# Altium PCB TG102LE4G_A7682_240822.PcbDoc (part 1 of 2)
Units mm, origin at the board's own origin, x right, y up, seen from the top; angles counter-clockwise.
Board outline 55.2 x 96.65 mm, 4 copper layers (Top Layer, Signal1 Layer, Signal2 layer, Bottom Layer), stack 1.564 mm thick; 188 components, 128 nets, 611 pads, 382 vias.
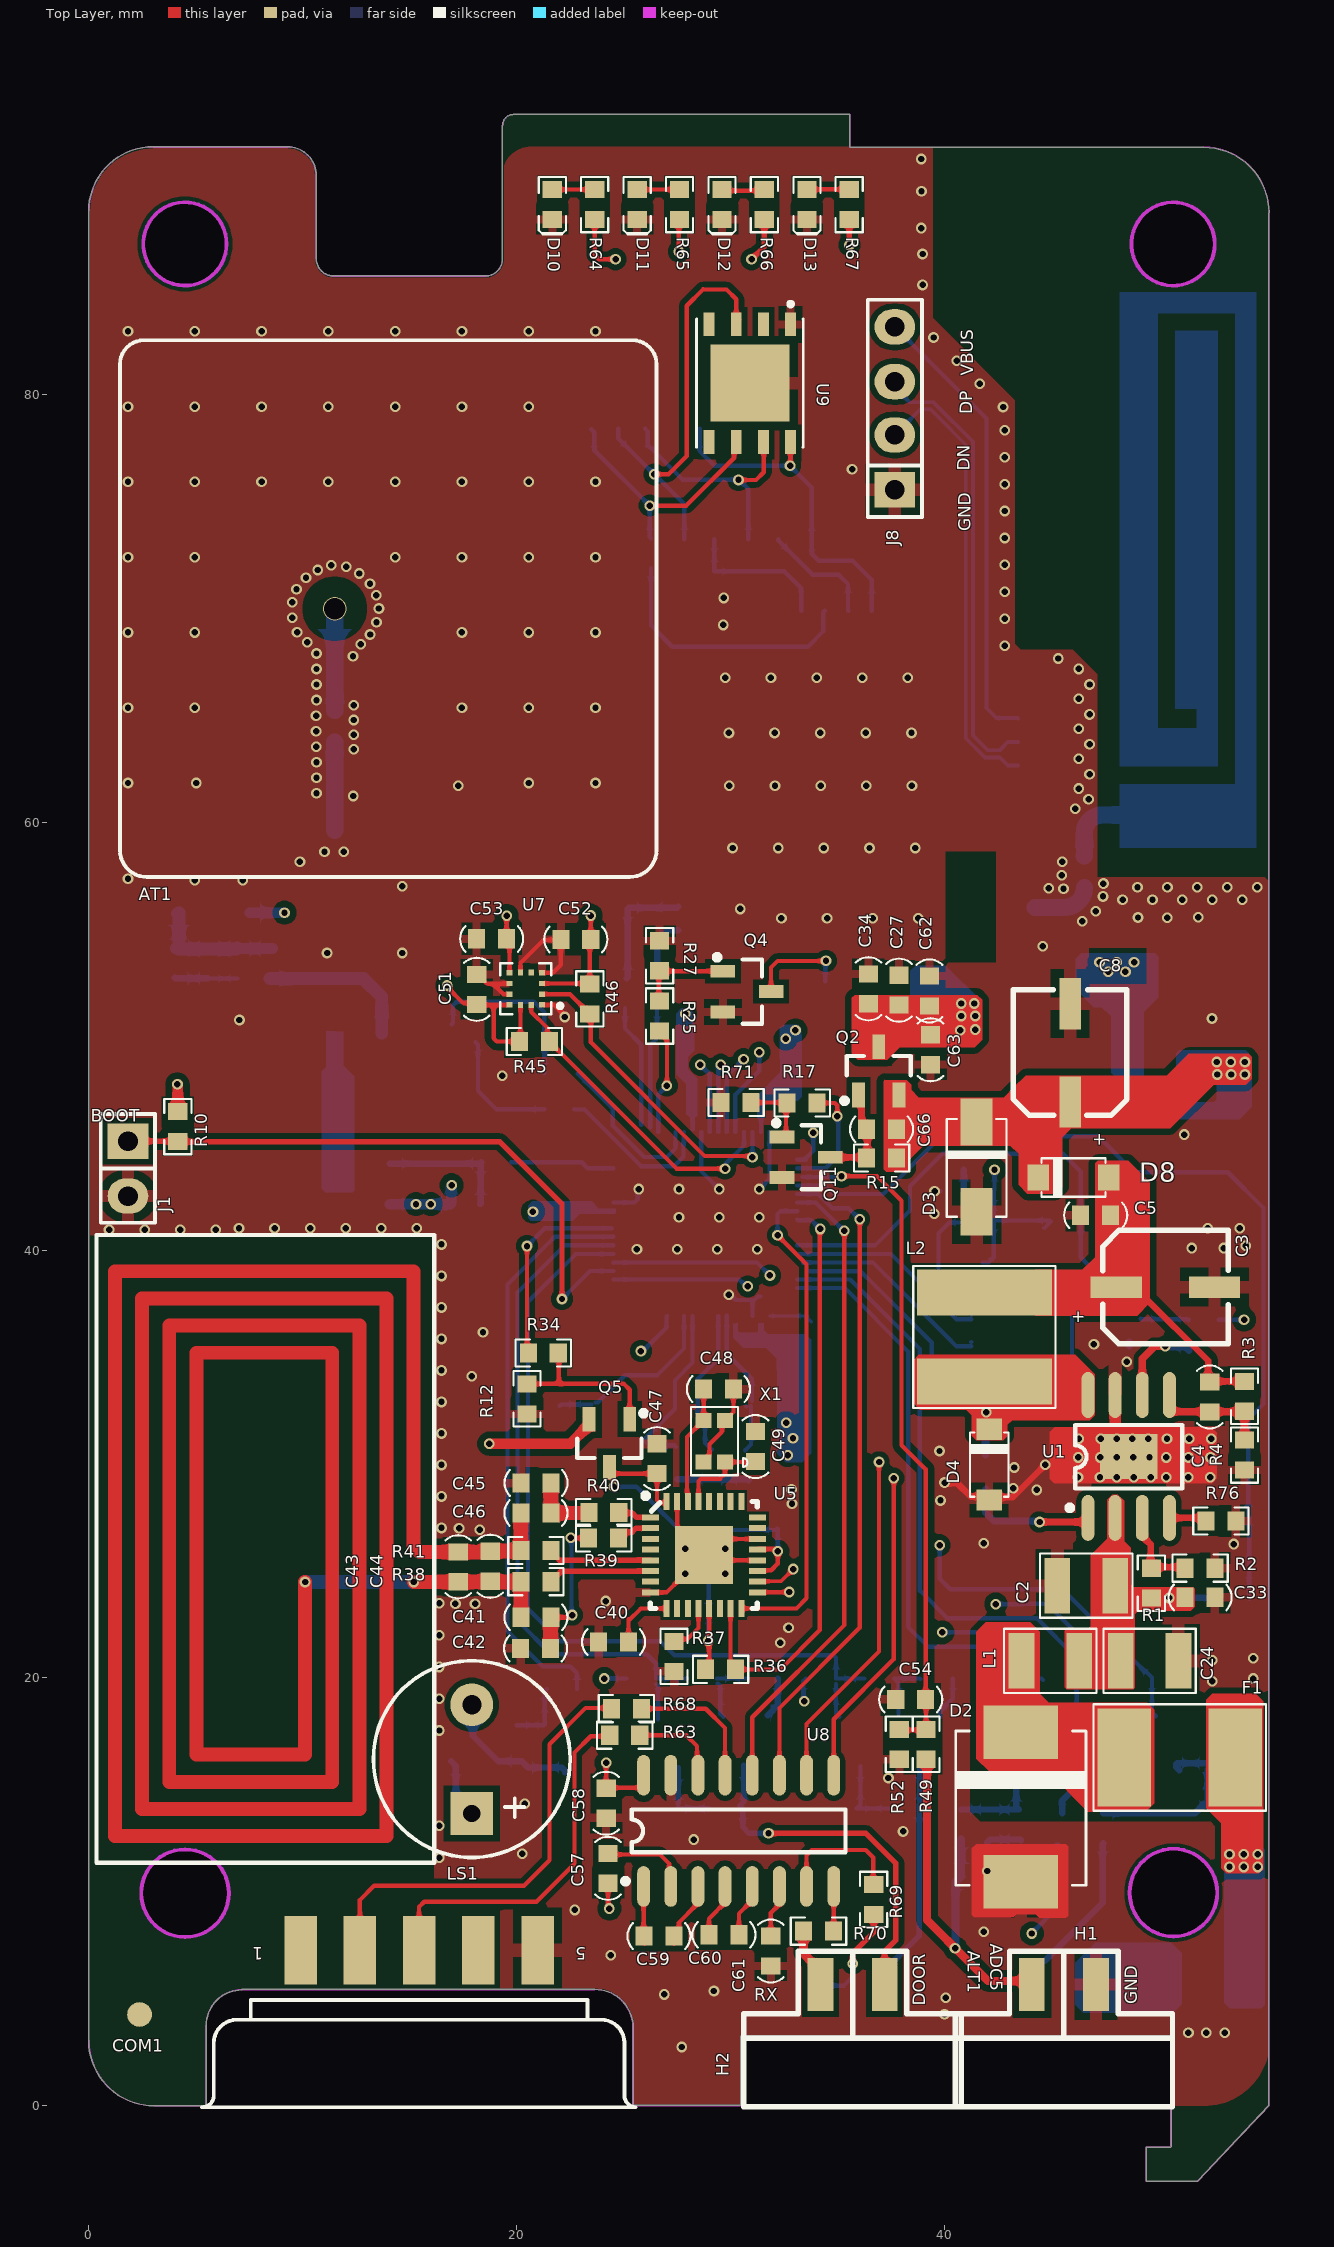
[diagram p0: Top Layer view]
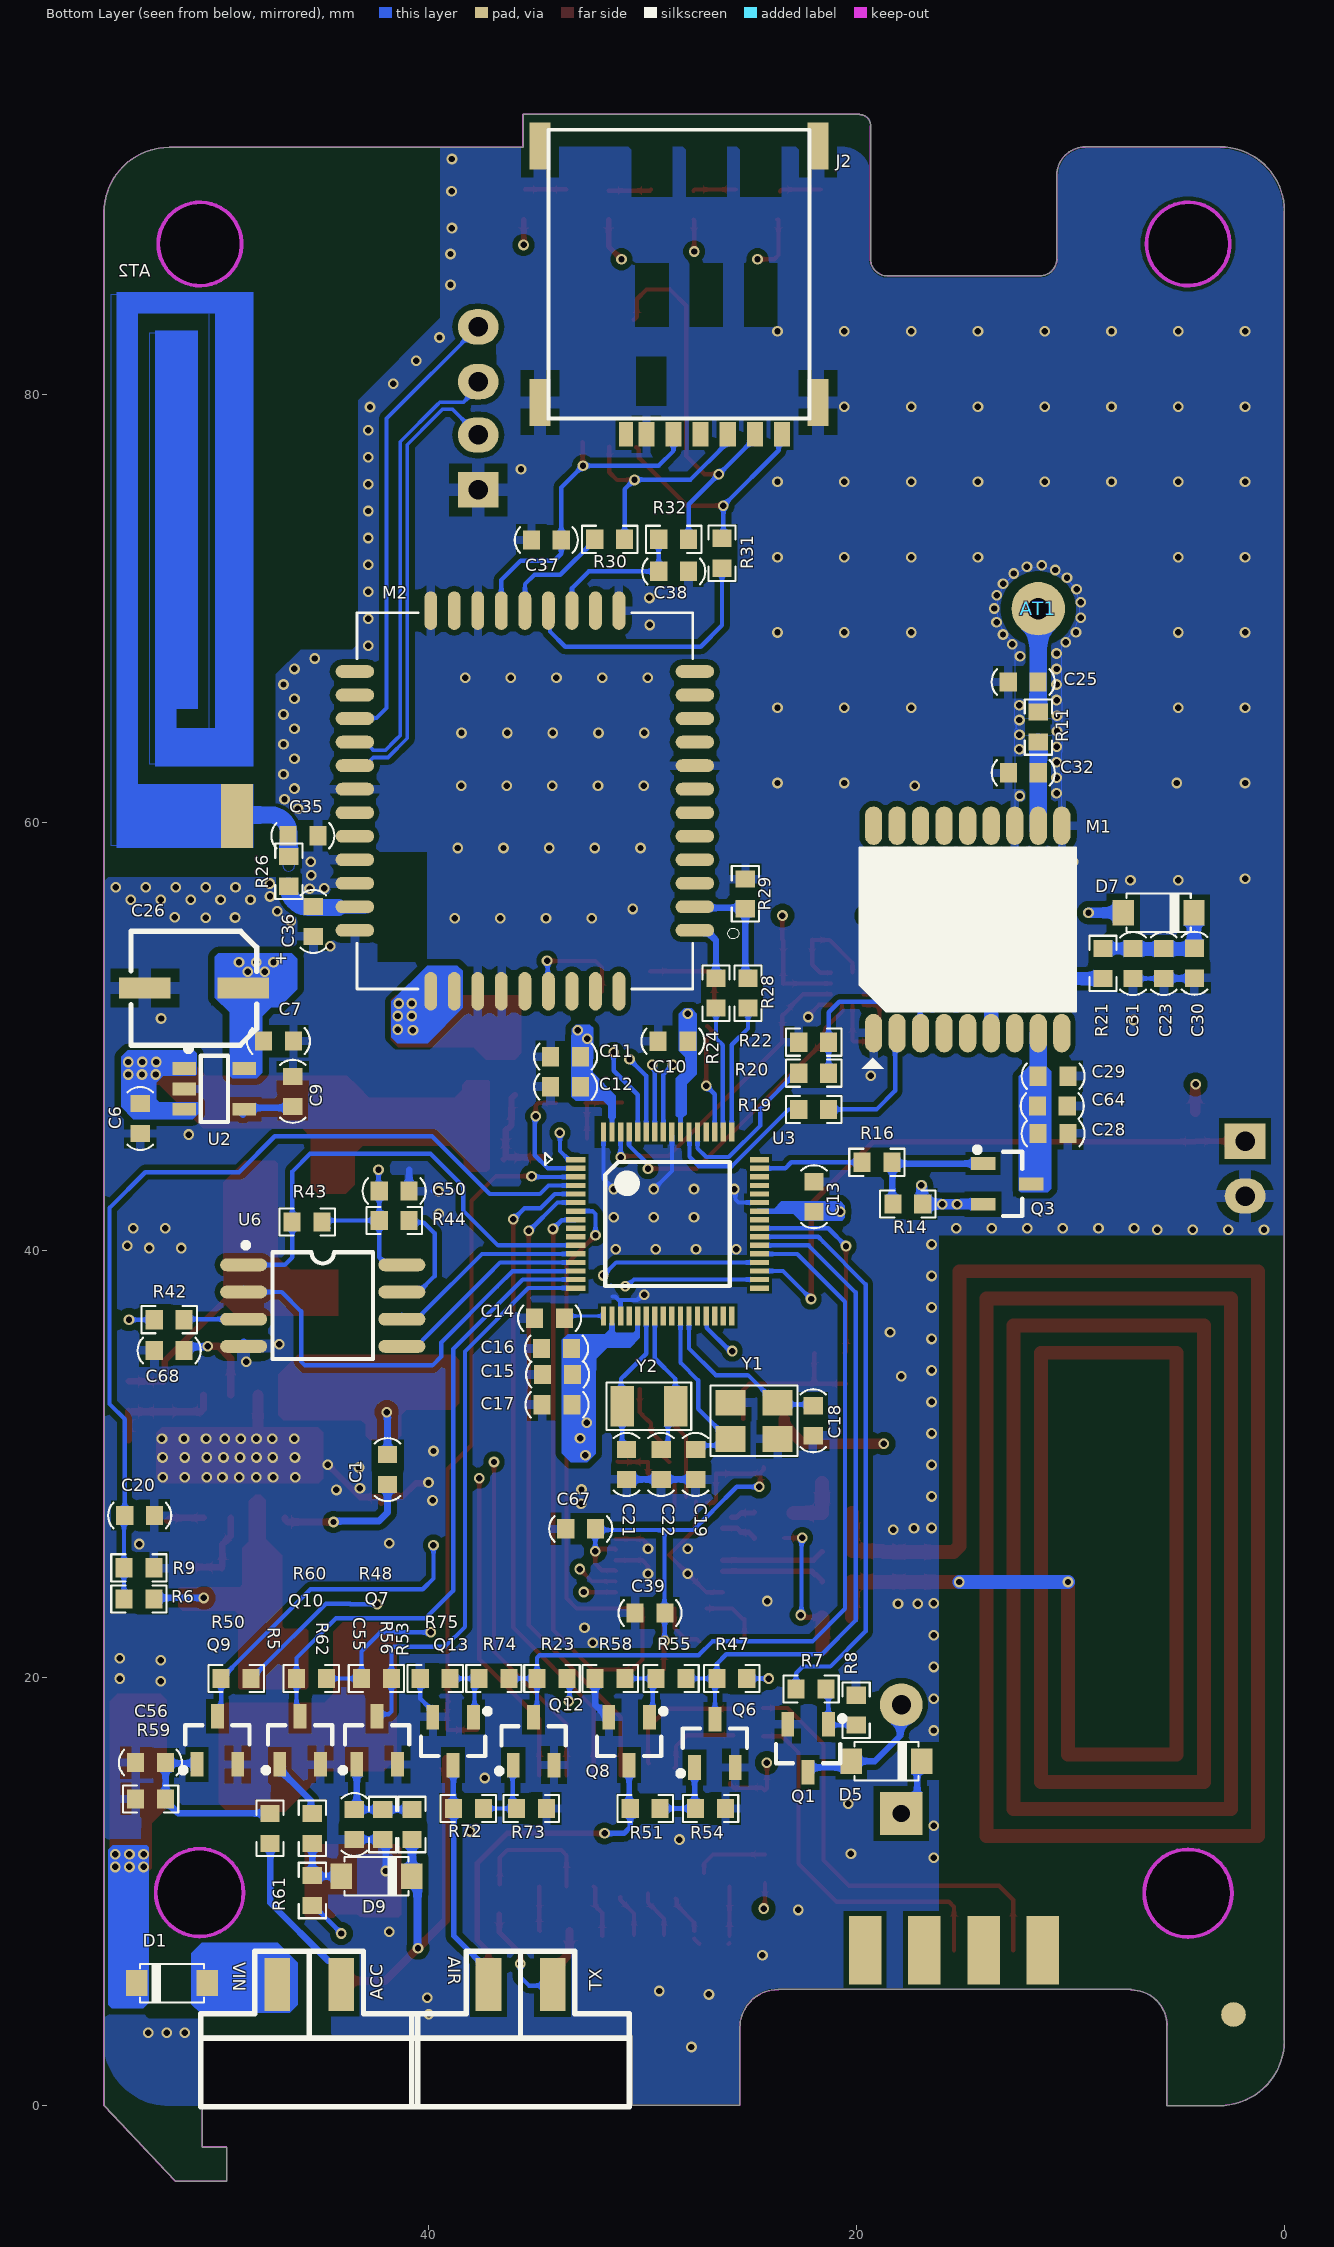
[diagram p1: Bottom Layer view, seen from below]
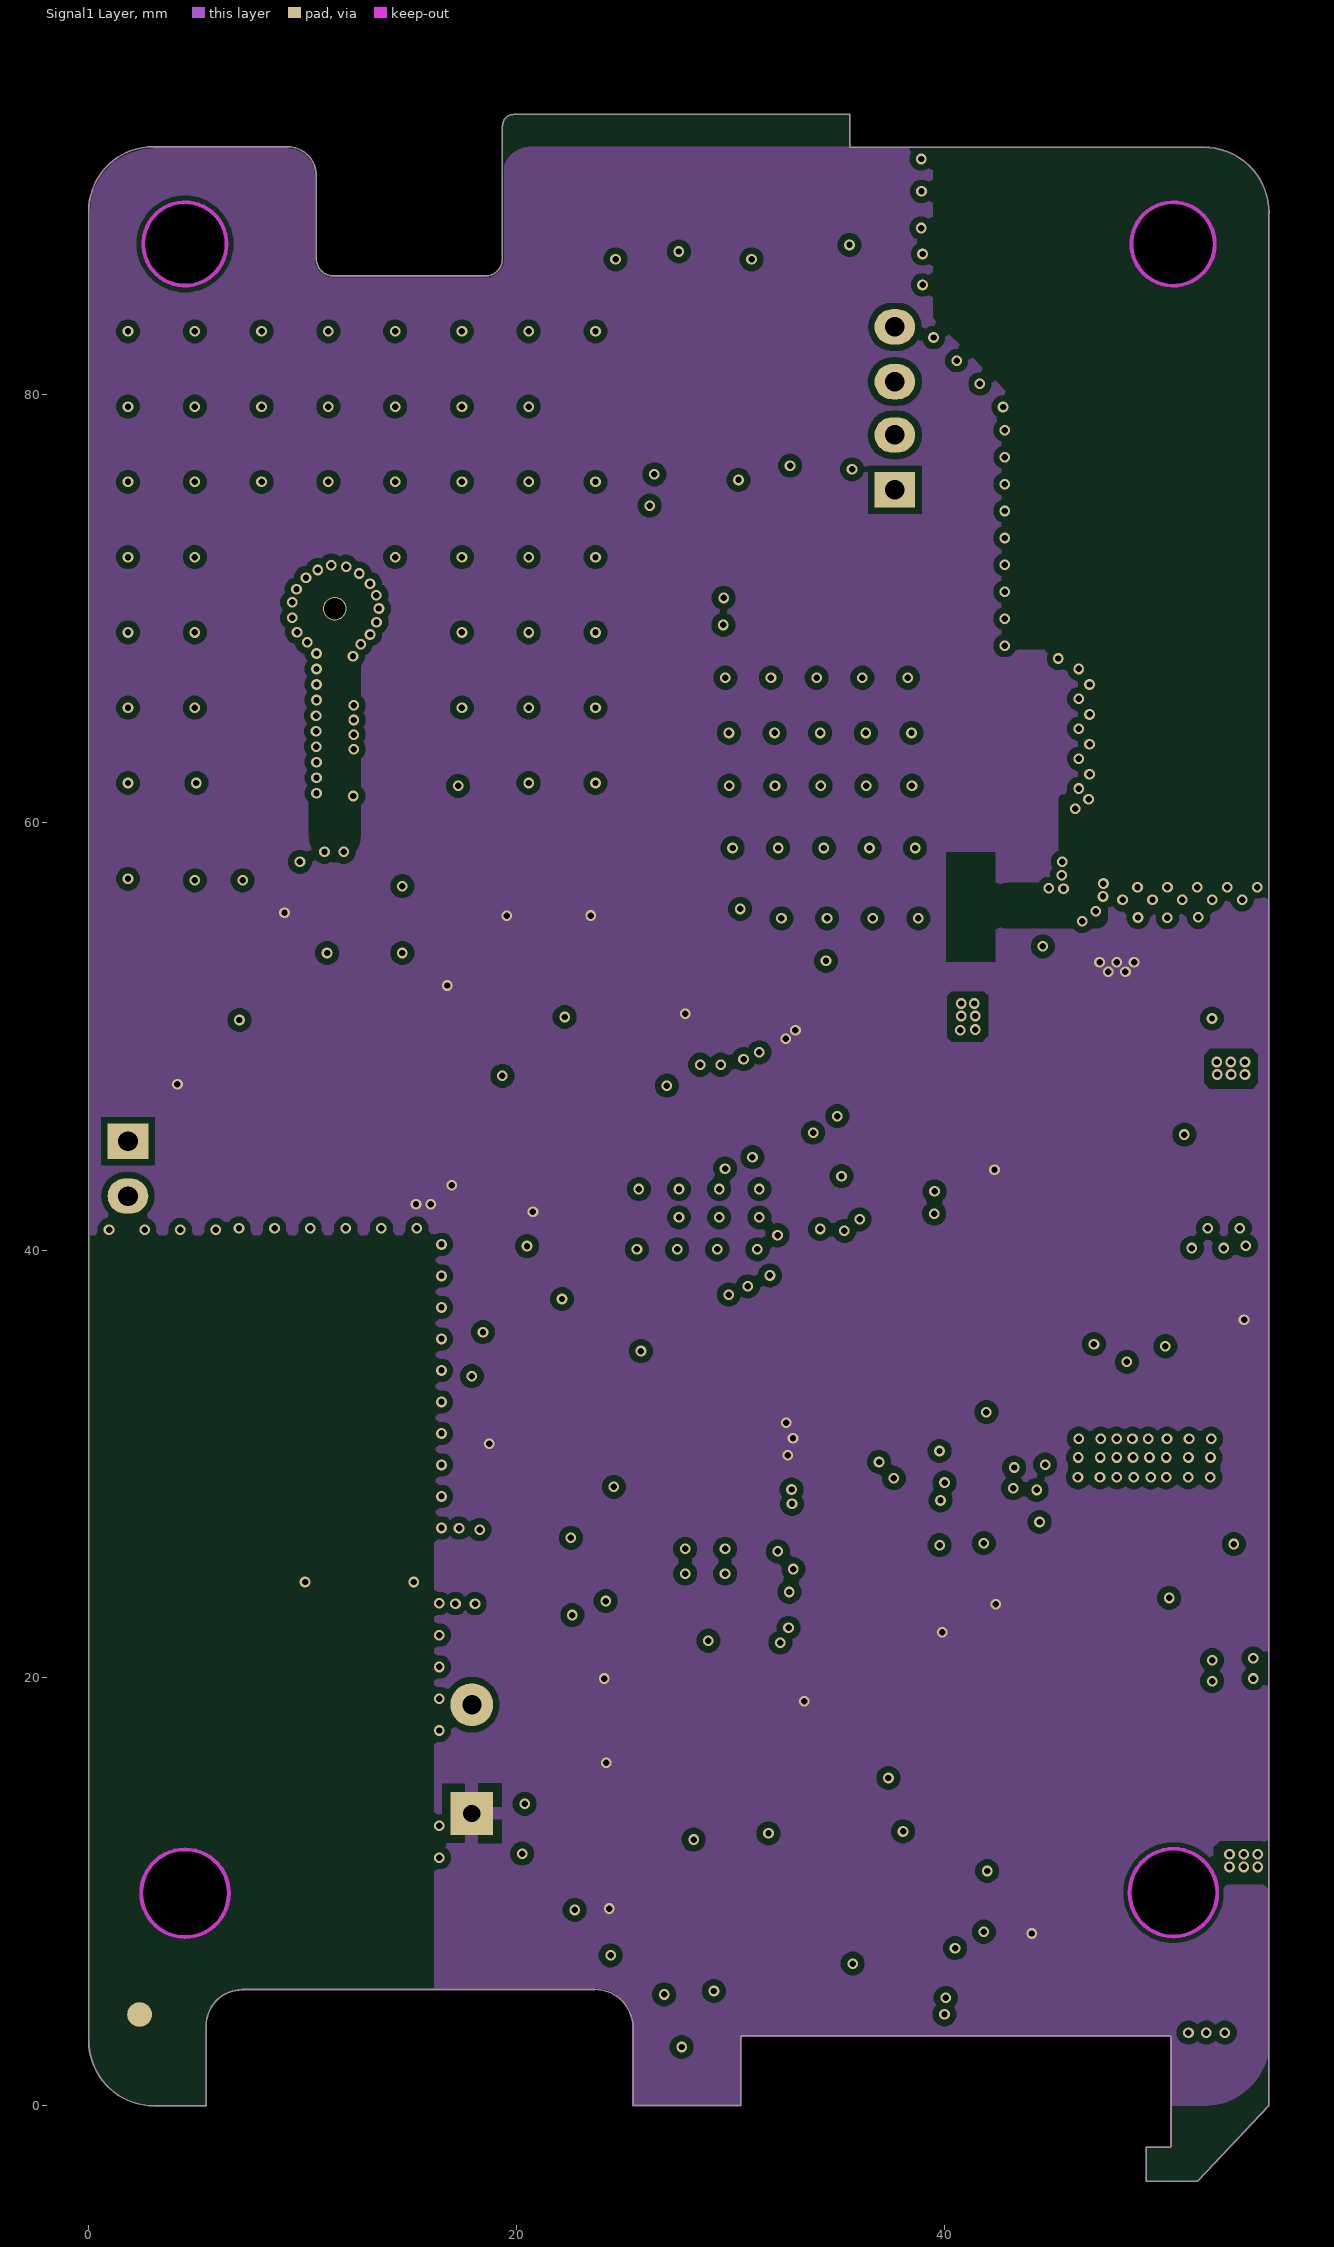
[diagram p2: Signal1 Layer]
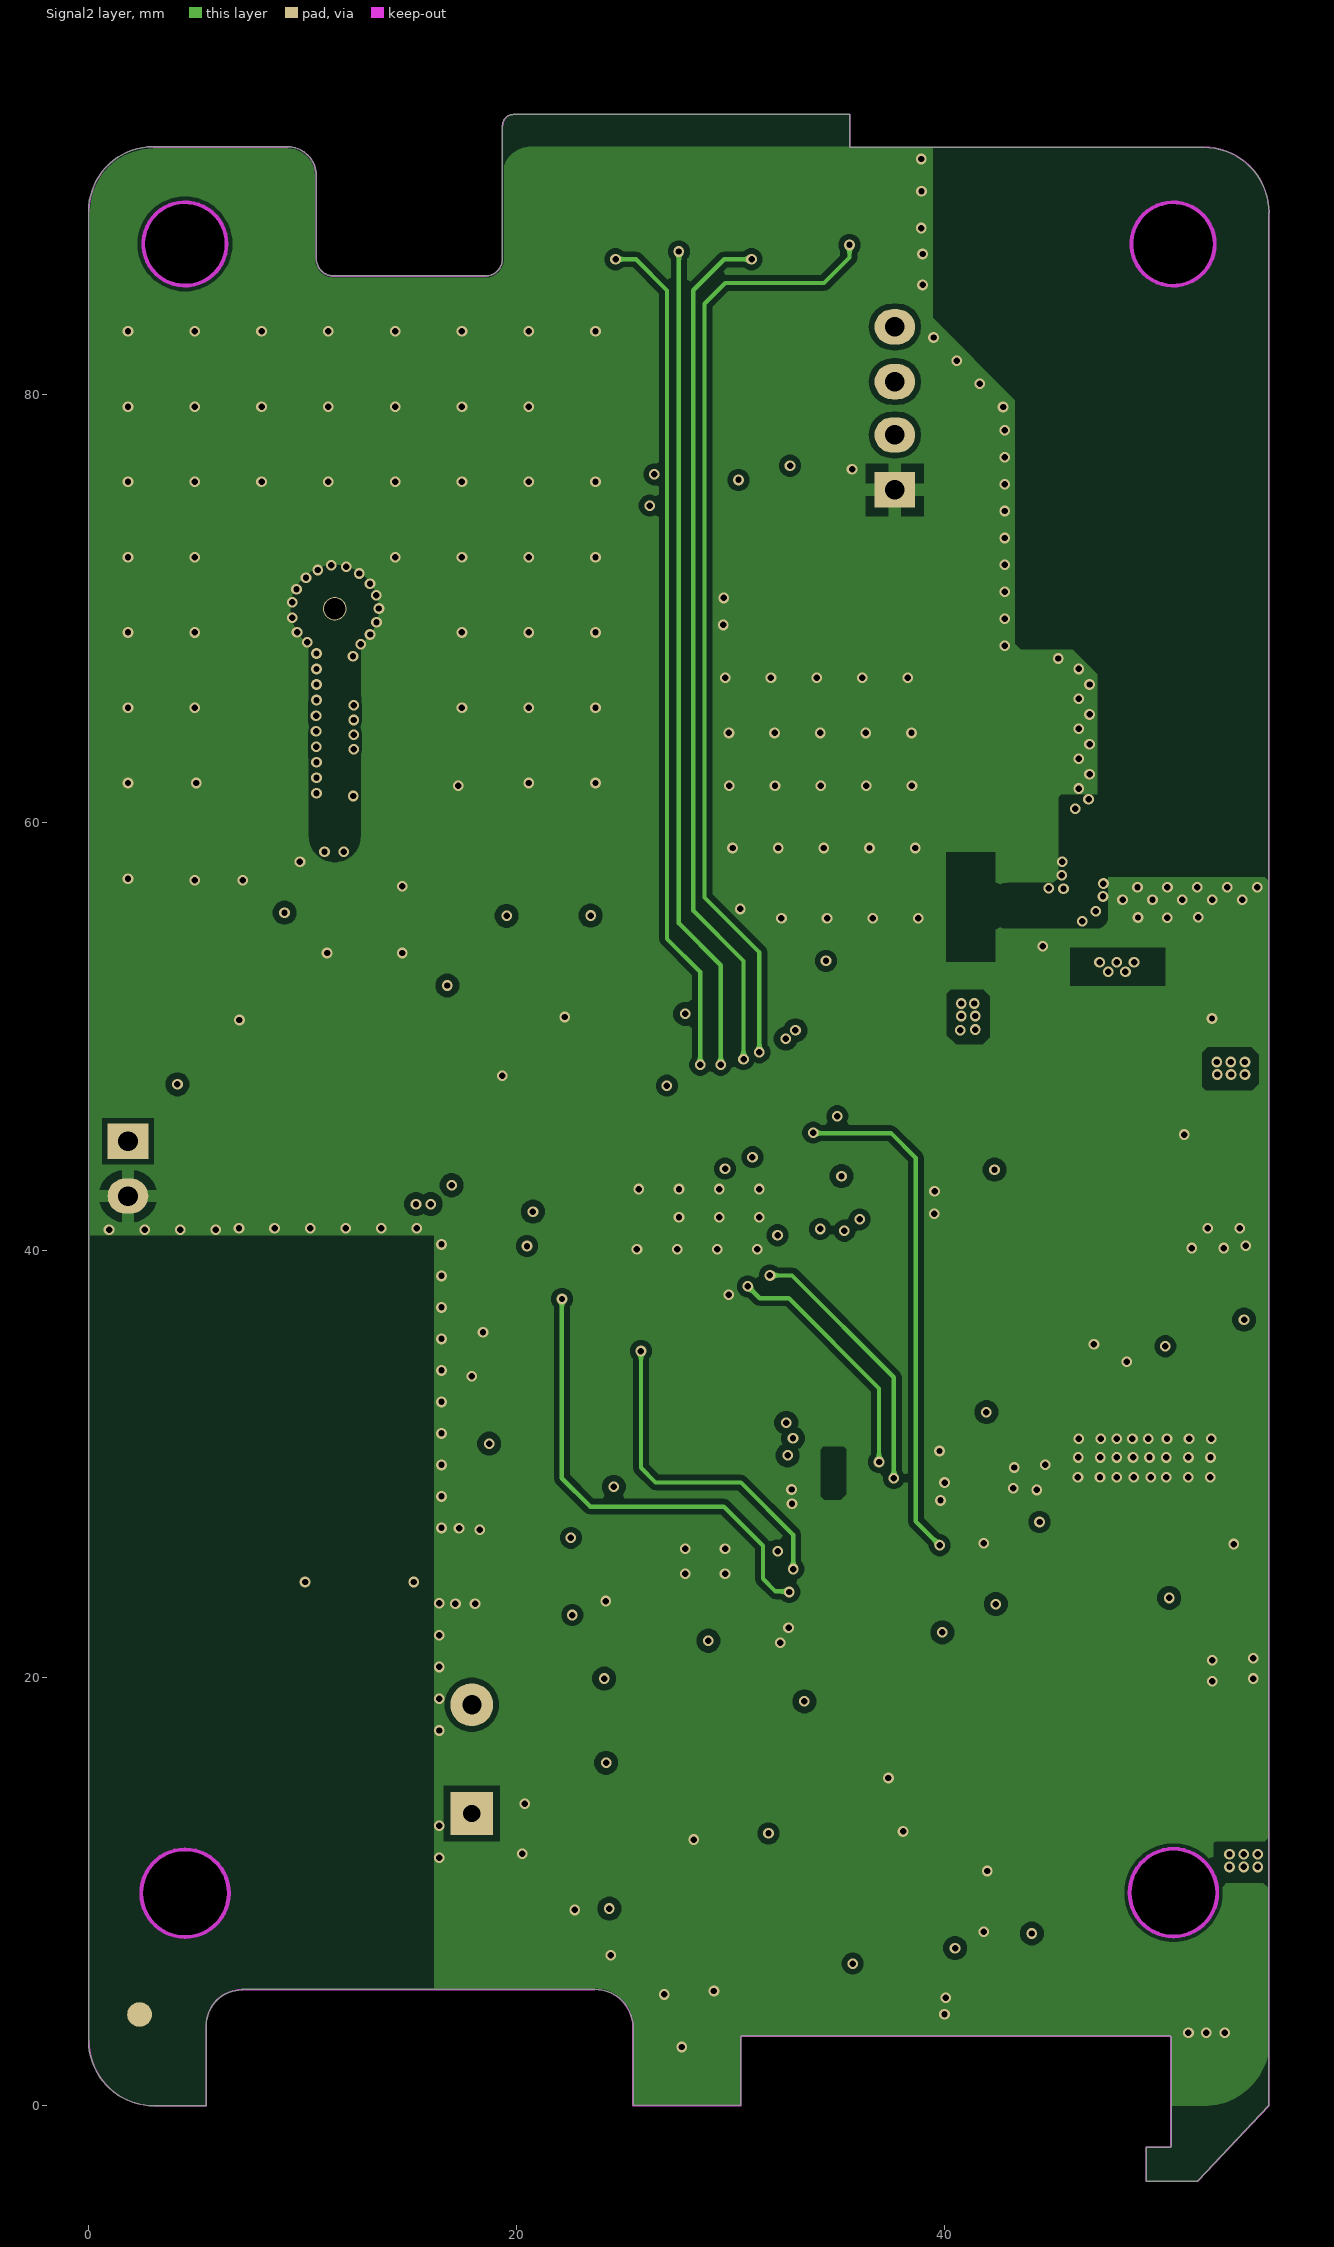
[diagram p3: Signal2 layer]